# Allegro board 08_038702e.brd (continued)
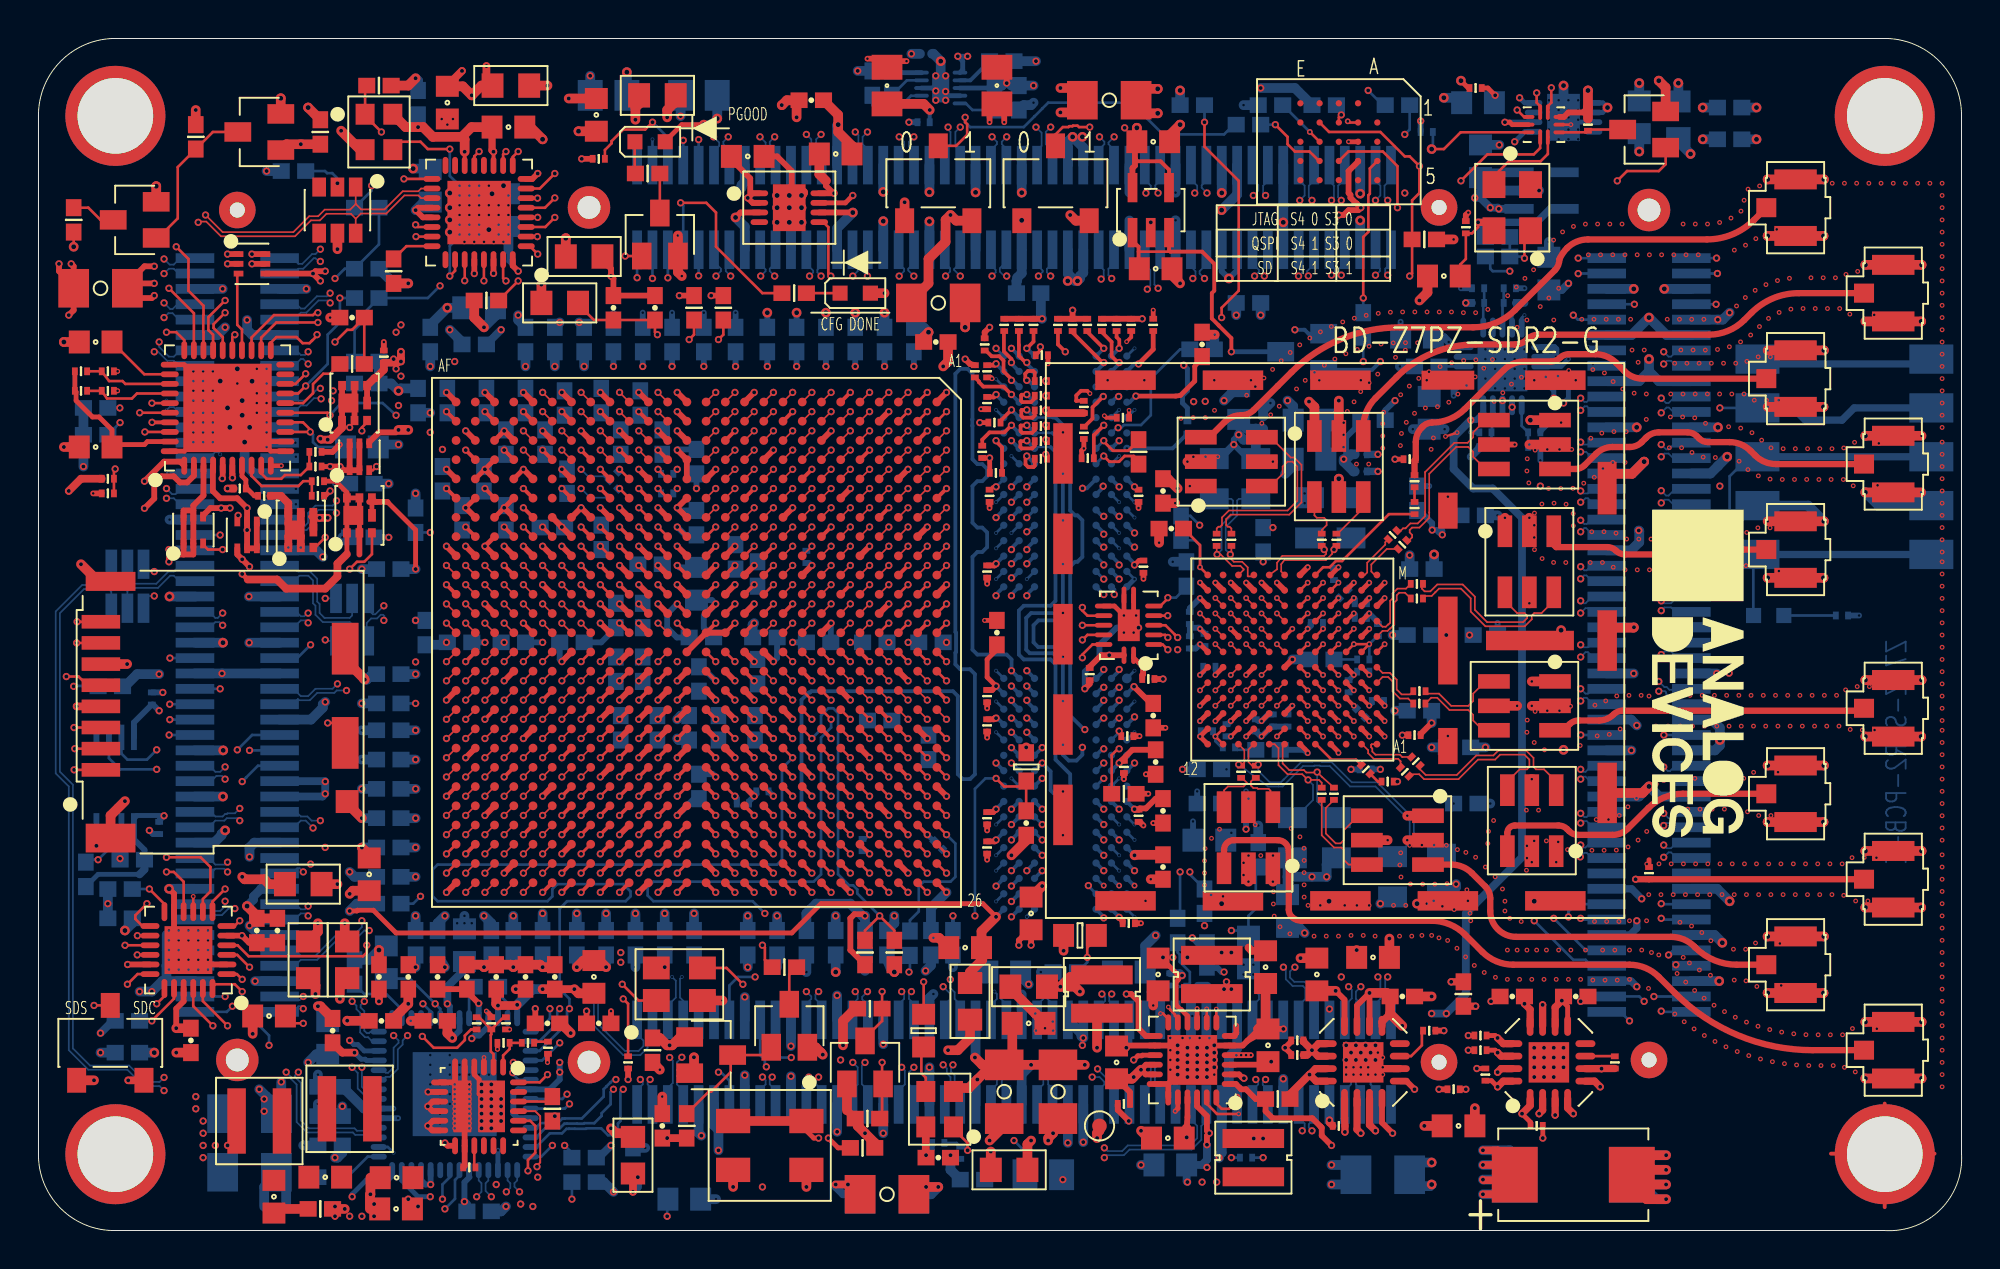
[diagram p0: board, top side]
## Routing (per net, layer and track width the routed paths; a pad name or vN(x,y) marks a point on that pad's centre or on a via; arc(x,y) is an arc through that point) (continued)
  L15_SIG w0.089: v1(35.22,41.59) 35.59,41.96 35.78,41.96 35.82,42 36.46,42 36.88,42.42 36.88,49.51 37.77,50.4 38.41,50.4 38.79,50.02 38.79,48.88 38.53,48.62 38.53,45.07 38.1,44.63 37.64,44.18 37.64,43.85 37.62,43.83 37.62,43.34 37.64,43.32 37.64,42.85 37.62,42.83 37.62,42.34 37.64,42.32 37.64,41.85 37.62,41.83 37.62,41.34 37.64,41.32 37.64,40.85 37.62,40.83 37.62,40.34 37.64,40.32 37.64,39.85 37.62,39.83 37.62,37.32 38.01,36.94 38.66,36.94 38.88,37.16 38.88,43.73 39.2,44.05 40.06,44.05 40.44,44.43 40.44,48.54 40.69,48.8 41.71,48.8 41.96,49.05 41.96,51.29 42.22,51.54 52.88,51.54 53.27,51.92 53.27,55.61 52.88,55.99 49.2,55.99 48.82,56.37 48.82,58.3 49.05,58.53 51.89,58.53 52.25,58.17 52.25,58.02 52.07,57.84 52.07,57.79 52.15,57.72 52.17,57.72 52.25,57.64 52.25,57.51 52.12,57.39 v1(51.87,57.39)
  BOTTOM w0.089: JX1.53 51.93,56.17 52.16,56.41 52.16,57.09 v1(51.87,57.39)
IO_L15_34_JX4_N: length 74
  TOP w0.089: U1.B9 v1(46.22,35.59)
  L18_SIG w0.089: v1(84.25,28.05) 84.13,28.18 84,28.18 83.94,28.11 83.81,28.11 83.75,28.18 83.62,28.18 83.43,27.98 83.3,27.98 83.11,28.18 82.73,28.18 82.6,28.3 82.6,28.45 80.95,30.1 80.95,30.21 77.52,33.64 77.52,36.68 74.86,39.35 74.86,40.77 71.7,43.92 68.76,43.92 63.68,49 63.04,49 63,49.05 62.99,49.05 62.64,49.39 62.64,49.4 60.38,51.67 46.26,51.67 43.23,48.64 43.23,47.12 42.22,46.1 42.22,45.16 42.13,45.08 42.13,44.8 42.22,44.72 42.22,44.41 42.37,44.25 42.39,44.25 42.81,43.83 42.81,39.03 42.82,38.98 42.88,38.92 42.88,38.45 43.08,38.25 43.46,38.25 43.88,37.83 43.88,37.45 44.08,37.25 44.33,37.25 44.4,37.18 45.46,37.18 45.81,36.83 45.81,36.83 45.84,36.79 45.84,35.96 v1(46.22,35.59)
  BOTTOM w0.089: JX4.59 85.18,27.37 84.63,27.92 84.63,27.99 84.57,28.05 v1(84.25,28.05)
IO_L15_34_JX4_P: length 74
  TOP w0.089: U1.C9 v1(45.22,35.59)
  L18_SIG w0.089: v1(84.25,28.56) 84.13,28.43 82.98,28.43 81.21,30.21 81.21,30.31 77.78,33.74 77.78,36.79 75.11,39.46 75.11,40.88 71.81,44.18 68.86,44.18 63.78,49.26 63.15,49.26 63.1,49.3 63.1,49.3 62.9,49.5 62.9,49.51 60.48,51.92 46.15,51.92 42.98,48.75 42.98,47.23 41.96,46.21 41.96,45.27 41.88,45.18 41.88,44.69 41.96,44.61 41.96,44.3 42.27,44 42.28,44 42.55,43.73 42.55,38.99 42.57,38.93 42.59,38.85 42.62,38.82 42.62,38.34 42.97,38 43.35,38 43.62,37.73 43.62,37.34 43.97,37 44.22,37 44.3,36.92 45.35,36.92 45.55,36.73 45.55,36.72 45.59,36.68 45.59,35.96 v1(45.22,35.59)
  BOTTOM w0.089: JX4.57 84.98,28.17 84.93,28.12 84.81,28.12 84.66,28.26 84.55,28.26 v1(84.25,28.56)
IO_L15_35_TX_D2_N: length 31.6
  TOP w0.089: U1.C16 v1(45.22,27.59) ; v6(62,28.09) U17.E10
  L6_SIG w0.089: 60.27,27.59 60.35,27.67 60.38,27.67 ; 60.27,27.59 60.3,27.59 60.38,27.67 ; 60.27,27.59 60.1,27.42 60.1,27.2 60.06,27.16 59.87,27.16 59.36,27.67 58.98,27.67 58.73,27.41 58.73,26.78 59.84,25.66 59.84,25.21 59.02,24.38 57.69,24.38 57.58,24.49 57.58,25.4 57.69,25.51 57.94,25.51 58.35,25.91 58.35,26.27 57.2,27.41 56.57,27.41 56.4,27.24 54.09,27.24 53.69,26.84 53.69,25.25 53.56,25.13 53.01,25.13 52.88,25.25 52.88,26.91 52.55,27.24 50.45,27.24 50.41,27.29 49.58,27.29 49.2,26.91 48.69,26.91 48.38,27.22 45.48,27.22 45.41,27.14 45.28,27.01 45.16,27.01 45.01,27.16 45.01,27.38 v1(45.22,27.59) ; v6(62,28.09) 61.69,27.79 61.69,27.77 61.59,27.67 60.38,27.67
IO_L15_35_TX_D2_P: length 31.5
  TOP w0.089: v6(62.8,27.29) U17.D9 ; U1.C17 v1(45.22,26.59)
  L6_SIG w0.089: v6(62.8,27.29) 62.42,27.67 62.03,27.67 61.95,27.59 61.87,27.59 61.49,27.2 61.49,27.16 61.32,26.99 60.25,26.99 60.16,26.91 59.76,26.91 59.26,27.41 59.09,27.41 58.98,27.31 58.98,26.88 60.1,25.77 60.1,25.1 59.12,24.13 57.58,24.13 57.33,24.38 57.33,25.51 57.58,25.76 57.84,25.76 58.09,26.02 58.09,26.17 57.1,27.16 56.67,27.16 56.5,26.99 54.2,26.99 53.95,26.73 53.95,25.15 53.67,24.87 52.91,24.87 52.63,25.15 52.63,26.8 52.44,26.99 50.35,26.99 50.3,27.03 49.69,27.03 49.31,26.65 48.59,26.65 48.28,26.96 45.59,26.96 v1(45.22,26.59)
IO_L16_12_JX3_N: length 72
  TOP w0.089: U1.AF14 v1(21.22,29.59)
  L4_SIG w0.089: v1(14.66,51.04) 14.91,51.04 15.29,50.65 15.4,50.65 15.8,50.25 15.93,50.25 16.56,49.62 16.56,48.03 16.79,47.8 19.61,47.8 19.99,47.42 19.99,46.46 19.61,46.08 16.67,46.08 16.44,45.85 16.44,45.57 16.82,45.19 17.74,45.19 18.34,44.59 18.34,43.95 17.94,43.54 16.29,43.54 16.05,43.31 16.05,42.76 16.29,42.53 17.96,42.53 18.34,42.15 18.34,41.11 18.38,41.06 18.38,40.74 18.85,40.27 18.85,35.69 18.32,35.16 17.81,35.16 17.58,34.93 17.58,20.03 17.81,19.79 18.23,19.79 18.47,20.03 18.47,34.65 18.85,35.03 19.86,35.03 20.25,34.65 20.25,29.57 20.6,29.22 20.84,29.22 v1(21.22,29.59)
  BOTTOM w0.089: JX3.100 13.22,50.57 13.51,50.27 13.72,50.27 14.22,50.78 14.4,50.78 v1(14.66,51.04)
IO_L16_12_JX3_P: length 72
  TOP w0.089: U1.AF15 v1(21.22,28.59)
  L4_SIG w0.089: v1(21.22,28.59) 20.84,28.96 20.49,28.96 19.99,29.46 19.99,34.55 19.76,34.78 18.95,34.78 18.72,34.55 18.72,19.92 18.34,19.54 17.71,19.54 17.32,19.92 17.32,35.03 17.71,35.41 18.21,35.41 18.59,35.8 18.59,40.17 18.13,40.63 18.13,40.96 18.09,41 18.09,42.04 17.85,42.27 16.18,42.27 15.8,42.65 15.8,43.42 16.18,43.8 17.83,43.8 18.09,44.05 18.09,44.49 17.63,44.94 16.71,44.94 16.18,45.47 16.18,45.96 16.56,46.34 19.5,46.34 19.74,46.57 19.74,47.31 19.5,47.54 16.69,47.54 16.31,47.92 16.31,49.51 15.82,50 15.69,50 15.29,50.4 15.17,50.4 15.17,50.42 14.93,50.65 14.87,50.65 14.78,50.57 14.78,50.53 v1(14.66,50.4)
  BOTTOM w0.089: v1(14.66,50.4) 14.57,50.4 14.4,50.57 14.31,50.57 13.77,50.02 13.51,50.02 13.27,49.77 JX3.98
IO_L16_13_JX2_N: length 72.5
  TOP w0.089: U1.AE21 v1(22.22,22.59)
  L4_SIG w0.089: v3(50.34,8.49) 50.22,8.36 v4(50.22,7.98) 50.53,7.67 50.53,7.54 50.22,7.22 50.22,6.99 49.56,6.33 49.46,6.33 49.07,5.95 49.07,4.17 49.18,4.06 49.18,3.97 49.38,3.77 49.66,3.77 49.68,3.79 52.63,3.79 53.01,3.41 53.01,2.87 52.54,2.39 48.31,2.39 47.8,2.9 35.2,2.9 34.99,3.11 34.71,3.11 34.5,2.9 33.61,2.9 33.2,3.31 33.2,3.89 33.61,4.3 34.6,4.3 35.1,4.81 35.1,5.7 34.85,5.95 34.22,5.95 33.96,6.2 33.96,6.71 34.22,6.97 34.85,6.97 35.1,7.22 35.1,7.62 34.87,7.86 34.24,7.86 33.73,8.36 33.45,8.36 33.2,8.11 33.2,5.44 32.95,5.19 32.31,5.19 32.06,5.44 32.06,6.31 32.18,6.44 32.18,8.89 32.08,9 31.06,9 30.81,9.25 29.9,9.25 29.64,9.51 29.64,9.63 28.5,10.78 24.56,10.78 24.31,11.03 24.31,11.49 24.3,11.5 24.3,12.23 24.1,12.44 24.1,14.08 23.85,14.33 22.83,14.33 22.58,14.59 22.58,22.23 v1(22.22,22.59)
  L19_GND w0.089: v3(50.34,8.49) 50.22,8.36 v4(50.22,7.98)
  BOTTOM w0.089: v4(50.22,7.98) 50.09,7.86 50.09,7.6 50.33,7.36 JX2.50
IO_L16_13_JX2_P: length 72.5
  TOP w0.089: U1.AE20 v1(22.22,23.59)
  L4_SIG w0.089: v3(49.71,8.49) 49.96,8.24 49.96,7.09 49.46,6.59 49.35,6.59 48.82,6.06 48.82,4.07 48.93,3.96 48.93,3.86 49.27,3.52 49.76,3.52 49.78,3.54 52.52,3.54 52.76,3.31 52.76,2.98 52.43,2.65 48.42,2.65 47.91,3.16 35.3,3.16 35.1,3.37 34.61,3.37 34.4,3.16 33.71,3.16 33.45,3.42 33.45,3.79 33.71,4.05 34.7,4.05 35.36,4.7 35.36,5.8 34.96,6.2 34.32,6.2 34.22,6.31 34.22,6.61 34.32,6.71 34.96,6.71 35.36,7.12 35.36,7.73 34.98,8.11 34.34,8.11 33.83,8.62 33.35,8.62 32.95,8.21 32.95,5.55 32.84,5.44 32.42,5.44 32.31,5.55 32.31,6.2 32.44,6.33 32.44,9 32.18,9.25 31.17,9.25 30.91,9.51 30,9.51 29.9,9.61 29.9,9.74 28.61,11.03 24.67,11.03 24.56,11.14 24.56,11.59 24.56,11.6 24.56,12.34 24.35,12.54 24.35,14.18 23.95,14.59 22.94,14.59 22.83,14.69 22.83,22.97 v1(22.22,23.59)
  L19_GND w0.089: v4(49.71,7.98) v3(49.71,8.49)
  BOTTOM w0.089: JX2.48 49.53,7.29 49.84,7.6 49.84,7.86 v4(49.71,7.98)
IO_L16_33_JX1_N: length 73.1
  TOP w0.089: U1.L2 v1(37.22,42.59)
  L3_SIG w0.089: v1(37.22,42.59) 36.84,42.96 36.84,43.05 36.88,43.09 36.88,43.45 36.88,43.45 36.88,46.7 36.54,47.04 35.98,47.04 35.73,47.29 35.73,47.8 36.05,48.11 36.35,48.11 36.88,48.64 36.88,50.65 36.5,51.04 34.47,51.04 34.22,51.29 34.22,54.82 33.81,55.23 32.8,55.23 32.69,55.33 32.69,55.88 32.8,55.99 34.74,55.99 34.85,55.88 34.85,52.45 35.38,51.92 37.5,51.92 37.77,52.2 37.77,54.97 38.22,55.42 38.6,55.42 39.04,55.86 39.04,58.02 39.8,58.78 46.03,58.78 46.28,59.04 46.28,59.67 46.03,59.93 31.17,59.93 30.91,59.67 30.91,58.78 31.17,58.53 36.76,58.53 37.01,58.27 37.01,57.64 36.88,57.51 36.88,55.61 36.5,55.23 35.99,55.23 35.61,55.61 35.61,56.62 v1(35.87,56.88)
  BOTTOM w0.089: JX1.13 35.93,56.18 35.61,56.5 35.61,56.62 v1(35.87,56.88)
IO_L16_33_JX1_P: length 73.1
  TOP w0.089: U1.M2 v1(36.22,42.59)
  L3_SIG w0.089: v1(35.1,56.88) 35.36,56.62 35.36,55.5 35.89,54.97 36.61,54.97 37.14,55.5 37.14,57.41 37.26,57.53 37.26,58.38 36.86,58.78 31.27,58.78 31.17,58.89 31.17,59.57 31.27,59.67 45.92,59.67 46.03,59.57 46.03,59.14 45.92,59.04 39.7,59.04 38.79,58.13 38.79,55.97 38.49,55.67 38.11,55.67 37.52,55.08 37.52,52.31 37.39,52.18 35.49,52.18 35.1,52.56 35.1,55.99 34.85,56.24 32.69,56.24 32.44,55.99 32.44,55.23 32.69,54.97 33.71,54.97 33.96,54.72 33.96,51.18 34.36,50.78 36.39,50.78 36.62,50.55 36.62,48.75 36.24,48.37 35.94,48.37 35.48,47.9 35.48,47.19 35.88,46.78 36.43,46.78 36.62,46.59 36.62,43.34 36.63,43.34 36.63,43.2 36.59,43.16 36.59,42.96 v1(36.22,42.59)
  BOTTOM w0.089: v1(35.1,56.88) 35.4,56.59 35.4,56.41 35.13,56.14 JX1.11
IO_L16_34_JX4_N: length 72.1
  TOP w0.089: U1.A10 v1(47.22,34.59)
  L18_SIG w0.089: v1(80.19,27.54) 80.06,27.41 79.81,27.41 79.68,27.54 79.68,27.79 79.55,27.92 77.92,27.92 77.4,28.45 77.4,28.66 77.4,29.47 76.76,30.1 76.76,31.74 76.64,31.86 75,31.86 74.22,32.64 74.22,39.61 71.3,42.53 70.79,42.53 70.03,41.76 67.64,41.76 67.03,42.38 67.03,43.37 63.38,47.02 63.31,47.02 62.96,47.36 62.96,47.44 60.97,49.43 60.97,49.65 60.77,49.85 60.55,49.85 59.74,50.65 47.15,50.65 46.53,50.04 46.53,48.77 43.61,45.85 43.61,44.79 43.97,44.43 44.23,44.43 44.88,43.78 44.88,38.45 45.08,38.25 45.22,38.25 45.26,38.21 46.26,38.21 46.29,38.18 46.46,38.18 46.84,37.8 46.84,34.96 v1(47.22,34.59)
  BOTTOM w0.089: JX4.60 80.84,27.37 80.5,27.71 80.35,27.71 v1(80.19,27.54)
IO_L16_34_JX4_P: length 72.1
  TOP w0.089: U1.B10 v1(46.22,34.59)
  L18_SIG w0.089: v1(46.22,34.59) 46.59,34.96 46.59,37.69 46.35,37.92 46.18,37.92 46.15,37.95 45.01,37.95 44.62,38.34 44.62,43.67 44.12,44.18 43.87,44.18 43.36,44.69 43.36,45.96 46.28,48.88 46.28,50.15 47.04,50.91 59.85,50.91 60.65,50.1 60.87,50.1 61.22,49.76 61.22,49.54 63.22,47.54 63.22,47.47 63.41,47.27 63.49,47.27 63.56,47.2 63.56,47.2 67.28,43.48 67.28,42.48 67.74,42.02 69.92,42.02 70.69,42.78 71.4,42.78 74.47,39.71 74.47,32.75 75.11,32.11 76.75,32.11 77.01,31.85 77.01,30.21 77.65,29.57 77.65,28.56 78.03,28.18 v1(80.19,28.18)
  BOTTOM w0.089: JX4.58 80.82,28.17 80.57,27.92 80.44,27.92 v1(80.19,28.18)
IO_L16_35_TX_D3_N: length 32.2
  TOP w0.089: v6(62.8,28.09) U17.E9 ; U1.D16 v1(44.22,27.59)
  L6_SIG w0.089: v6(62.8,28.09) 63.04,28.05 63.3,27.79 63.3,27.54 63.13,27.16 63.13,25.25 62.87,25 61.52,25 60,23.48 59.76,23.48 59.23,22.95 59.23,22.44 59.08,22.29 58.5,22.29 58.35,22.44 58.35,22.95 57.82,23.48 57.43,23.48 57.13,23.18 55.25,23.18 54.92,23.18 54.54,23.56 54.54,23.6 54.15,23.98 53.27,23.98 52.88,23.6 52.88,23.56 52.5,23.18 49.65,23.18 49.46,23.37 49.46,23.43 49.33,23.56 49.33,23.58 48.8,24.11 48.54,24.11 48.31,24.34 48.31,24.64 48.54,24.87 48.8,24.87 49.33,25.4 49.33,25.87 48.95,26.25 44.08,26.25 43.87,26.46 43.87,27.51 43.95,27.59 v1(44.22,27.59)
IO_L16_35_TX_D3_P: length 32.3
  TOP w0.089: v6(63.6,27.29) U17.D8 ; U1.E16 v1(43.22,27.59)
  L6_SIG w0.089: v1(43.22,27.59) 43.26,27.59 43.62,27.23 43.62,26.35 43.97,26 48.84,26 49.07,25.77 49.07,25.51 48.69,25.13 48.44,25.13 48.06,24.75 48.06,24.24 48.44,23.86 48.69,23.86 49.07,23.48 49.07,23.45 49.2,23.33 49.2,23.27 49.55,22.92 52.61,22.92 53.14,23.45 53.14,23.5 53.37,23.73 54.05,23.73 54.28,23.5 54.28,23.45 54.81,22.92 55.15,22.92 57.24,22.92 57.54,23.22 57.71,23.22 58.09,22.84 58.09,22.33 58.39,22.03 59.19,22.03 59.49,22.33 59.49,22.84 59.87,23.22 60.1,23.22 61.63,24.75 63.17,24.75 63.93,25.51 63.93,26.96 v6(63.6,27.29)
IO_L17_12_JX2_N: length 73
  TOP w0.089: U1.AE15 v1(22.22,28.59)
  L6_SIG w0.089: v1(63.81,7.86) 63.81,8.19 63.68,8.31 63.68,9.38 64.06,9.76 64.6,9.76 64.68,9.84 64.96,9.84 65.04,9.76 66.98,9.76 67.24,9.51 67.24,8.62 67.62,8.24 69.75,8.24 70.28,8.77 70.28,10.65 69.75,11.18 66.99,11.18 66.89,11.28 60.61,11.28 60.36,11.53 60.36,11.79 59.89,12.26 59.89,12.44 59.52,12.81 59.38,12.81 58.98,13.21 58.98,13.44 58.55,13.87 57.94,13.87 57.84,13.97 57.84,15.13 57.11,15.86 55.15,15.86 54.89,16.11 50.86,16.11 50.73,15.98 50.47,15.98 50.34,15.86 47.3,15.86 45.9,17.25 45.36,17.25 45.35,17.25 36.08,17.25 35.88,17.45 35.88,17.75 35.81,17.82 35.81,17.83 35.46,18.18 35.45,18.18 35.38,18.25 35.08,18.25 34.88,18.45 34.88,18.76 33.46,20.18 33.43,20.18 33.35,20.25 33.08,20.25 32.88,20.45 32.88,20.73 32.81,20.8 32.81,20.83 32.46,21.18 32.43,21.18 32.35,21.25 32.08,21.25 31.88,21.45 31.88,21.76 31.46,22.18 31.15,22.18 30.81,22.52 30.81,22.83 30.46,23.18 30.15,23.18 29.81,23.52 29.81,23.83 29.46,24.18 29.15,24.18 28.81,24.52 28.81,24.83 28.46,25.18 25.12,25.18 24.81,25.5 24.81,25.83 24.46,26.18 24,26.18 23.81,26.37 23.81,27.9 23.49,28.22 22.59,28.22 v1(22.22,28.59)
  BOTTOM w0.089: JX2.84 63.93,7.32 63.66,7.58 63.66,7.71 v1(63.81,7.86)
IO_L17_12_JX2_P: length 73
  TOP w0.089: U1.AE16 v1(22.22,27.59)
  L6_SIG w0.089: v1(63.3,7.86) 63.3,8.19 63.43,8.31 63.43,9.48 63.95,10.01 64.49,10.01 64.58,10.1 65.07,10.1 65.15,10.01 67.09,10.01 67.49,9.61 67.49,8.72 67.72,8.49 69.65,8.49 70.03,8.87 70.03,10.55 69.65,10.93 66.88,10.93 66.78,11.03 60.51,11.03 60.11,11.43 60.11,11.68 59.63,12.16 59.63,12.33 59.41,12.55 59.28,12.55 58.73,13.11 58.73,13.34 58.45,13.62 57.84,13.62 57.58,13.87 57.58,15.02 57,15.6 55.04,15.6 54.79,15.86 50.97,15.86 50.84,15.72 50.57,15.72 50.45,15.6 47.19,15.6 45.79,17 45.46,17 45.46,17 35.97,17 35.62,17.34 35.62,17.64 35.55,17.72 35.55,17.73 35.35,17.93 35.34,17.93 35.27,18 34.97,18 34.62,18.34 34.62,18.62 33.55,19.7 33.55,19.73 33.35,19.93 33.32,19.93 33.25,20 32.97,20 32.62,20.34 32.62,20.62 32.55,20.7 32.55,20.73 32.35,20.93 32.32,20.93 32.25,21 31.97,21 31.62,21.34 31.62,21.66 31.35,21.93 31.04,21.93 30.55,22.42 30.55,22.73 30.35,22.93 30.04,22.93 29.55,23.42 29.55,23.73 29.35,23.93 29.04,23.93 28.55,24.42 28.55,24.73 28.35,24.93 25.02,24.93 24.54,25.41 24.54,25.43 24.55,25.45 24.55,25.73 24.35,25.93 23.89,25.93 23.55,26.27 23.55,27.79 23.38,27.96 22.48,27.96 22.34,28.11 22.28,28.11 22.22,28.05 v1(22.22,27.59)
  BOTTOM w0.089: v1(63.3,7.86) 63.43,7.73 63.43,7.6 63.13,7.3 JX2.82
IO_L17_13_JX2_N: length 72.8
  TOP w0.089: U1.AD19 v1(23.22,24.59)
  L6_SIG w0.089: v1(23.22,24.59) 23.17,24.64 23.17,24.87 23.31,25.01 23.43,25.01 23.62,24.82 23.62,16.16 24.56,15.22 25.4,15.22 25.78,14.84 25.78,14.59 26.16,14.21 28.01,14.21 29.16,13.06 29.9,13.06 30.15,13.32 30.41,13.32 32.95,10.78 48.82,10.78 49.2,11.16 49.2,13.06 49.58,13.44 50.6,13.44 50.85,13.19 50.85,7.86 50.47,7.47 47.67,7.47 47.3,7.1 47.3,6.58 47.67,6.2 55.6,6.2 55.93,6.54 55.93,7.01 55.6,7.35 53.62,7.35 53.39,7.58 53.39,8.36 53.77,8.74 53.77,11.28 53.39,11.67 52.88,11.67 52.63,11.92 v3(52.63,12.94)
  L19_GND w0.089: v4(52.63,12.43) v3(52.63,12.94)
  BOTTOM w0.089: JX2.55 52.73,11.78 52.47,12.05 52.47,12.26 v4(52.63,12.43)
IO_L17_13_JX2_P: length 72.8
  TOP w0.089: U1.AD18 v1(23.22,25.59)
  L6_SIG w0.089: v1(23.22,25.59) 23.22,25.41 23.36,25.27 23.51,25.27 23.52,25.28 23.88,24.93 23.88,16.27 24.67,15.48 25.5,15.48 26.03,14.95 26.03,14.69 26.27,14.46 28.12,14.46 29.26,13.32 29.79,13.32 30.05,13.57 30.51,13.57 33.05,11.03 48.71,11.03 48.95,11.26 48.95,13.17 49.48,13.7 50.7,13.7 51.11,13.29 51.11,7.75 50.58,7.22 47.77,7.22 47.55,7 47.55,6.68 47.77,6.46 55.49,6.46 55.68,6.64 55.68,6.91 55.49,7.09 53.52,7.09 53.14,7.47 53.14,8.47 53.52,8.85 53.52,11.18 53.29,11.41 52.78,11.41 52.38,11.81 52.38,11.92 52.25,12.05 52.12,12.05 52,12.17 52,12.3 v4(52.12,12.43) 52.25,12.43 52.38,12.55 52.38,12.68 v3(52.12,12.94)
  L19_GND w0.089: v4(52.12,12.43) v3(52.12,12.94)
  BOTTOM w0.089: JX2.53 51.93,11.72 52.25,12.05 52.25,12.3 v4(52.12,12.43)
IO_L17_33_JX1_N: length 73.8
  TOP w0.089: U1.M4 v1(36.22,40.59)
  L15_SIG w0.089: v1(35.99,49.64) 35.74,49.38 35.7,49.38 35.61,49.3 35.61,48.26 35.21,47.86 34.62,47.86 33.71,48.77 33.71,50.38 34.47,51.14 34.47,54.19 35,54.72 47.83,54.72 48.06,54.95 48.06,55.63 47.57,56.12 33.78,56.12 33.77,56.11 33.28,56.11 33.27,56.12 33.18,56.12 32.82,55.76 32.82,52.16 33.33,51.65 33.33,49.28 32.69,48.64 32.69,47.71 33.18,47.23 35.46,47.23 36.25,46.44 36.25,45.72 34.85,44.33 34.85,43.56 34.57,43.29 34.07,43.29 33.81,43.03 33.81,36.41 34.04,36.18 34.36,36.18 34.6,36.41 34.6,40.98 34.87,41.25 35.6,41.25 35.87,40.98 35.87,40.84 35.96,40.75 36.06,40.75 v1(36.22,40.59)
  BOTTOM w0.089: v1(35.99,49.64) 35.74,49.89 35.74,50.02 35.93,50.21 JX1.14
IO_L17_33_JX1_P: length 73.8
  TOP w0.089: U1.N4 v1(35.22,40.59)
  L15_SIG w0.089: v1(35.23,49.64) 35.36,49.51 35.36,48.37 35.1,48.11 34.72,48.11 33.96,48.88 33.96,50.27 34.72,51.04 34.72,54.08 35.1,54.46 47.93,54.46 48.31,54.85 48.31,55.73 47.68,56.37 33.68,56.37 33.67,56.36 33.39,56.36 33.38,56.37 33.07,56.37 32.56,55.86 32.56,52.05 33.07,51.54 33.07,49.38 32.44,48.75 32.44,47.61 33.07,46.97 35.36,46.97 35.99,46.34 35.99,45.83 34.6,44.43 34.6,43.67 34.47,43.54 33.96,43.54 33.55,43.13 33.55,36.3 33.93,35.92 34.47,35.92 34.85,36.3 34.85,40.88 34.97,41 35.49,41 35.61,40.88 35.61,40.75 35.49,40.62 35.25,40.62 v1(35.22,40.59)
  BOTTOM w0.089: JX1.12 35.13,50.38 35.49,50.02 35.49,49.89 v1(35.23,49.64)
IO_L17_34_JX4_N: length 72.3
  TOP w0.089: U1.A8 v1(47.22,36.59)
  L6_SIG w0.089: v1(84.51,23.48) 84.51,23.6 84.76,23.86 84.89,23.86 85.02,23.73 85.02,23.48 85.08,23.41 85.21,23.41 85.27,23.48 85.27,23.73 85.4,23.86 85.55,23.86 86.03,23.38 86.03,23.06 85.81,22.84 84.27,22.84 82.79,21.35 82.79,20.79 83.19,20.38 87.94,20.38 88.32,20 88.32,19.29 87.94,18.9 77.78,18.9 73.84,22.84 73.84,33.38 73.33,33.89 70.85,33.89 70.29,34.45 70.21,34.45 68.36,36.3 64.41,36.3 64.33,36.22 64.05,36.22 63.97,36.3 59.76,36.3 59.13,35.67 57.73,35.67 57.27,35.2 55.15,35.2 55.1,35.16 54.35,35.16 53.75,35.76 51.89,35.76 51.65,36.01 50.35,36.01 50.16,35.82 48.84,35.82 48.44,36.22 47.59,36.22 v1(47.22,36.59)
  BOTTOM w0.089: JX4.69 85.12,23.37 84.82,23.67 84.7,23.67 v1(84.51,23.48)
IO_L17_34_JX4_P: length 72.3
  TOP w0.089: U1.A9 v1(47.22,35.59)
  L6_SIG w0.089: v1(47.22,35.59) 47.59,35.96 48.33,35.96 48.79,35.5 50.21,35.5 50.45,35.75 51.53,35.75 51.78,35.5 53.65,35.5 54.24,34.91 55.21,34.91 55.25,34.95 57.37,34.95 57.84,35.41 59.23,35.41 59.87,36.05 63.86,36.05 63.94,35.97 64.43,35.97 64.51,36.05 68.25,36.05 70.11,34.19 70.19,34.19 70.74,33.64 73.23,33.64 73.59,33.28 73.59,22.74 77.67,18.65 88.04,18.65 88.57,19.18 88.57,20.11 88.04,20.64 83.29,20.64 83.04,20.89 83.04,21.25 84.38,22.59 85.91,22.59 86.29,22.96 86.29,23.49 85.66,24.11 v1(84.51,24.11)
  BOTTOM w0.089: v1(84.51,24.11) 84.72,23.9 84.84,23.9 85.11,24.17 JX4.67
IO_L17_35_TX_D4_N: length 32.8
  TOP w0.089: v6(63.6,28.09) U17.E8 ; U1.B15 v1(46.22,28.59)
  L15_SIG w0.089: v1(46.22,28.59) 46.06,28.59 45.77,28.3 45.77,28.17 46.01,27.92 46.19,27.92 46.48,28.22 47.51,28.22 47.93,28.64 47.93,29.04 48.21,29.32 49.18,29.32 49.46,29.04 49.46,28.03 50.24,27.24 52.02,27.24 52.88,26.38 52.88,23.98 52.88,23.98 52.88,23.86 53.14,23.6 54.83,23.6 55.25,23.18 55.53,23.18 55.79,23.43 57.09,23.43 57.21,23.56 57.21,24.06 57.33,24.17 57.33,25.16 57.81,25.64 58.48,25.64 58.96,25.16 58.96,23.56 59.09,23.43 60.1,23.43 61.67,25 62.54,25 62.67,25.12 62.67,25.4 62.5,25.57 62.5,26.49 62.5,26.62 62.67,26.79 62.72,26.79 63.1,27.17 63.1,27.21 63.42,27.54 63.42,27.54 63.47,27.59 63.72,27.59 63.92,27.79 63.92,27.91 63.74,28.09 v6(63.6,28.09)
IO_L17_35_TX_D4_P: length 31.6
  TOP w0.089: U1.B16 v1(46.22,27.59) ; v6(64.4,27.29) U17.D7
  L15_SIG w0.089: v1(46.22,27.59) 46.59,27.96 47.62,27.96 48.19,28.53 48.19,28.94 48.31,29.06 49.07,29.06 49.2,28.94 49.2,27.92 50.14,26.99 51.91,26.99 52.63,26.27 52.63,24.09 52.63,23.75 53.03,23.35 54.72,23.35 55.15,22.92 55.64,22.92 55.89,23.18 57.19,23.18 57.47,23.45 57.47,23.96 57.58,24.07 57.58,25.05 57.91,25.38 58.38,25.38 58.7,25.05 58.7,23.45 58.98,23.18 60.21,23.18 61.77,24.75 62.65,24.75 62.92,25.02 62.92,25.39 63.1,25.57 63.1,25.94 63.3,26.14 63.3,26.62 63.5,26.82 63.55,26.82 63.9,27.17 63.9,27.29 63.9,27.29 63.9,27.41 64.11,27.62 64.23,27.62 64.31,27.54 64.31,27.38 v6(64.4,27.29)
IO_L18_12_JX2_N: length 72.9
  TOP w0.089: U1.AF17 v1(21.22,26.59)
  L14_SIG w0.089: v1(21.22,26.59) 21.26,26.63 21.26,26.91 21.53,27.18 24.46,27.18 24.81,26.83 24.81,26.51 25.14,26.18 25.46,26.18 25.81,25.83 25.81,25.52 26.15,25.18 26.46,25.18 26.81,24.83 26.81,18.42 27.05,18.18 27.46,18.18 27.81,17.83 27.81,17.42 27.97,17.25 45.88,17.25 49.31,13.82 59.19,13.82 59.22,13.86 61.16,13.86 61.38,14.08 62.18,14.08 62.43,14.33 62.43,16.24 62.32,16.35 60.65,16.35 60.25,16.75 60.25,18.37 60.65,18.78 62.13,18.78 62.64,18.27 63.07,18.27 63.57,18.78 64.55,18.78 65.08,18.25 65.08,17 64.7,16.62 63.76,16.62 63.38,16.24 63.38,13.87 63.73,13.52 63.73,13.12 63.81,13.04 v3(63.81,12.81)
  L19_GND w0.089: v4(63.81,12.43) v3(63.81,12.81)
  BOTTOM w0.089: v4(63.81,12.43) 63.68,12.3 63.68,11.92 63.93,11.67 JX2.83
IO_L18_12_JX2_P: length 72.9
  TOP w0.089: U1.AE17 v1(22.22,26.59)
  L14_SIG w0.089: v1(22.22,26.59) 22.02,26.4 21.77,26.4 21.57,26.6 21.57,26.85 21.64,26.93 24.35,26.93 24.55,26.73 24.55,26.41 25.04,25.93 25.35,25.93 25.55,25.73 25.55,25.41 26.04,24.93 26.35,24.93 26.55,24.73 26.55,18.31 26.94,17.93 27.35,17.93 27.55,17.73 27.55,17.31 27.87,17 45.77,17 49.2,13.57 59.29,13.57 59.32,13.6 61.27,13.6 61.49,13.82 62.28,13.82 62.68,14.23 62.68,16.34 62.43,16.6 60.76,16.6 60.5,16.85 60.5,18.27 60.76,18.52 62.03,18.52 62.54,18.02 63.17,18.02 63.68,18.52 64.44,18.52 64.82,18.14 64.82,17.1 64.59,16.87 63.66,16.87 63.13,16.34 63.13,13.76 63.47,13.42 63.47,13.04 63.3,12.86 v3(63.3,12.81)
  L19_GND w0.089: v4(63.3,12.43) v3(63.3,12.81)
  BOTTOM w0.089: v4(63.3,12.43) 63.46,12.26 63.46,12.02 63.13,11.69 JX2.81
IO_L18_13_JX2_N: length 72.1
  TOP w0.089: U1.AF18 v1(21.22,25.59)
  L4_SIG w0.089: v1(21.22,25.59) 21.59,25.22 21.59,14.48 21.72,14.34 21.72,12.96 22.13,12.55 23.19,12.55 23.29,12.45 23.29,10.14 23.8,9.63 25.22,9.63 25.83,9.02 25.83,5.82 26.34,5.32 27.89,5.32 28.12,5.08 28.12,3.66 28.37,3.41 30.91,3.41 31.29,3.79 31.29,4.17 31.55,4.43 31.8,4.43 32.18,4.05 32.18,2.01 32.56,1.63 56.57,1.63 56.95,2.01 56.95,4.97 56.35,5.57 53.27,5.57 52.76,6.08 v3(52.76,8.49)
  L19_GND w0.089: v4(52.63,7.98) 52.63,8.36 v3(52.76,8.49)
  BOTTOM w0.089: v4(52.63,7.98) 52.5,7.86 52.5,7.6 52.73,7.38 JX2.56
IO_L18_13_JX2_P: length 72.1
  TOP w0.089: U1.AE18 v1(22.22,25.59)
  L4_SIG w0.089: v1(22.22,25.59) 21.84,25.22 21.84,14.59 21.98,14.45 21.98,13.06 22.23,12.81 23.29,12.81 23.55,12.55 23.55,10.25 23.91,9.89 25.33,9.89 26.09,9.13 26.09,5.93 26.45,5.57 27.99,5.57 28.37,5.19 28.37,3.77 28.48,3.66 30.81,3.66 31.04,3.9 31.04,4.28 31.44,4.68 31.91,4.68 32.44,4.15 32.44,2.12 32.67,1.89 56.46,1.89 56.69,2.12 56.69,4.86 56.24,5.32 53.16,5.32 52.5,5.97 52.5,7.09 52.38,7.22 52.17,7.22 52,7.4 52,7.6 52.12,7.73 52.38,7.73 52.5,7.86 52.5,8.24 52.25,8.49 v3(52.12,8.49)
  L19_GND w0.089: v4(52.12,7.98) v3(52.12,8.49)
  BOTTOM w0.089: JX2.54 51.93,7.28 52.25,7.6 52.25,7.86 v4(52.12,7.98)
IO_L18_33_JX1_N: length 73.2
  TOP w0.089: U1.M1 v1(36.22,43.59)
  L18_SIG w0.089: v1(36.22,43.59) 35.87,43.94 35.87,44.41 35.59,44.69 34.82,44.69 34.74,44.6 34.46,44.6 34.37,44.69 34.03,44.69 33.45,45.27 33.45,47.33 33.05,47.73 32.03,47.73 31.55,48.22 31.55,48.39 31.78,48.62 32.54,48.62 32.88,48.96 32.97,48.96 33.33,49.31 33.33,50.38 32.92,50.78 31.91,50.78 31.68,51.01 31.68,51.31 31.78,51.42 33.05,51.42 33.33,51.69 33.33,52.24 32.97,52.6 30.47,52.6 30.41,52.66 30.41,53.22 30.64,53.45 32.42,53.45 32.82,53.85 32.82,54.44 32.42,54.85 28.9,54.85 28.75,54.99 28.75,55.2 29.14,55.59 29.14,57.87 28.61,58.4 22.45,58.4 22.2,58.66 22.2,59.42 22.45,59.67 23.37,59.67 23.75,60.05 27.51,60.05 28.01,59.54 28.36,59.54 28.45,59.46 28.94,59.46 29.02,59.54 29.92,59.54 30.15,59.31 30.15,55.88 30.68,55.35 32.92,55.35 33.3,55.73 33.58,55.73 33.96,55.35 33.96,54.59 34.34,54.21 35.1,54.21 35.49,54.59 35.49,55.35 36.37,56.24 36.37,56.55 36.46,56.63 36.46,57.12 36.37,57.2 36.37,58.55 36.48,58.66 36.78,58.66 36.88,58.55 36.88,54.21 37.14,53.96 37.77,53.96 38.03,54.21 38.03,56.62 v1(38.28,56.88)
  BOTTOM w0.089: JX1.19 38.33,56.19 38.03,56.5 38.03,56.62 v1(38.28,56.88)
IO_L18_33_JX1_P: length 73.2
  TOP w0.089: U1.N1 v1(35.22,43.59)
  L18_SIG w0.089: v1(37.52,56.88) 37.77,56.62 37.77,54.32 37.67,54.21 37.24,54.21 37.14,54.32 37.14,58.66 36.88,58.91 36.37,58.91 36.12,58.66 36.12,57.1 36.2,57.02 36.2,56.74 36.12,56.66 36.12,56.35 35.23,55.46 35.23,54.7 35,54.46 34.45,54.46 34.22,54.7 34.22,55.46 33.69,55.99 33.2,55.99 32.82,55.61 30.79,55.61 30.41,55.99 30.41,59.42 30.02,59.8 28.91,59.8 28.83,59.72 28.55,59.72 28.47,59.8 28.12,59.8 27.61,60.31 23.64,60.31 23.26,59.93 22.34,59.93 21.94,59.52 21.94,58.55 22.34,58.15 28.5,58.15 28.88,57.77 28.88,55.69 28.5,55.31 28.5,54.89 28.8,54.59 32.31,54.59 32.56,54.34 32.56,53.96 32.31,53.7 30.53,53.7 30.15,53.32 30.15,52.56 30.36,52.35 32.86,52.35 33.07,52.14 33.07,51.8 32.95,51.67 31.68,51.67 31.42,51.42 31.42,50.91 31.8,50.53 32.82,50.53 33.07,50.27 33.07,49.42 32.87,49.21 32.77,49.21 32.44,48.88 31.68,48.88 31.29,48.5 31.29,48.11 31.93,47.48 32.95,47.48 33.2,47.23 33.2,45.16 33.93,44.43 34.27,44.43 34.35,44.35 34.84,44.35 34.92,44.43 35.49,44.43 35.61,44.3 35.61,43.99 v1(35.22,43.59)
  BOTTOM w0.089: v1(37.52,56.88) 37.81,56.59 37.81,56.41 37.53,56.13 JX1.17
